# Altium PCB SOMO_PowerPack_Top.PcbDoc (continued)
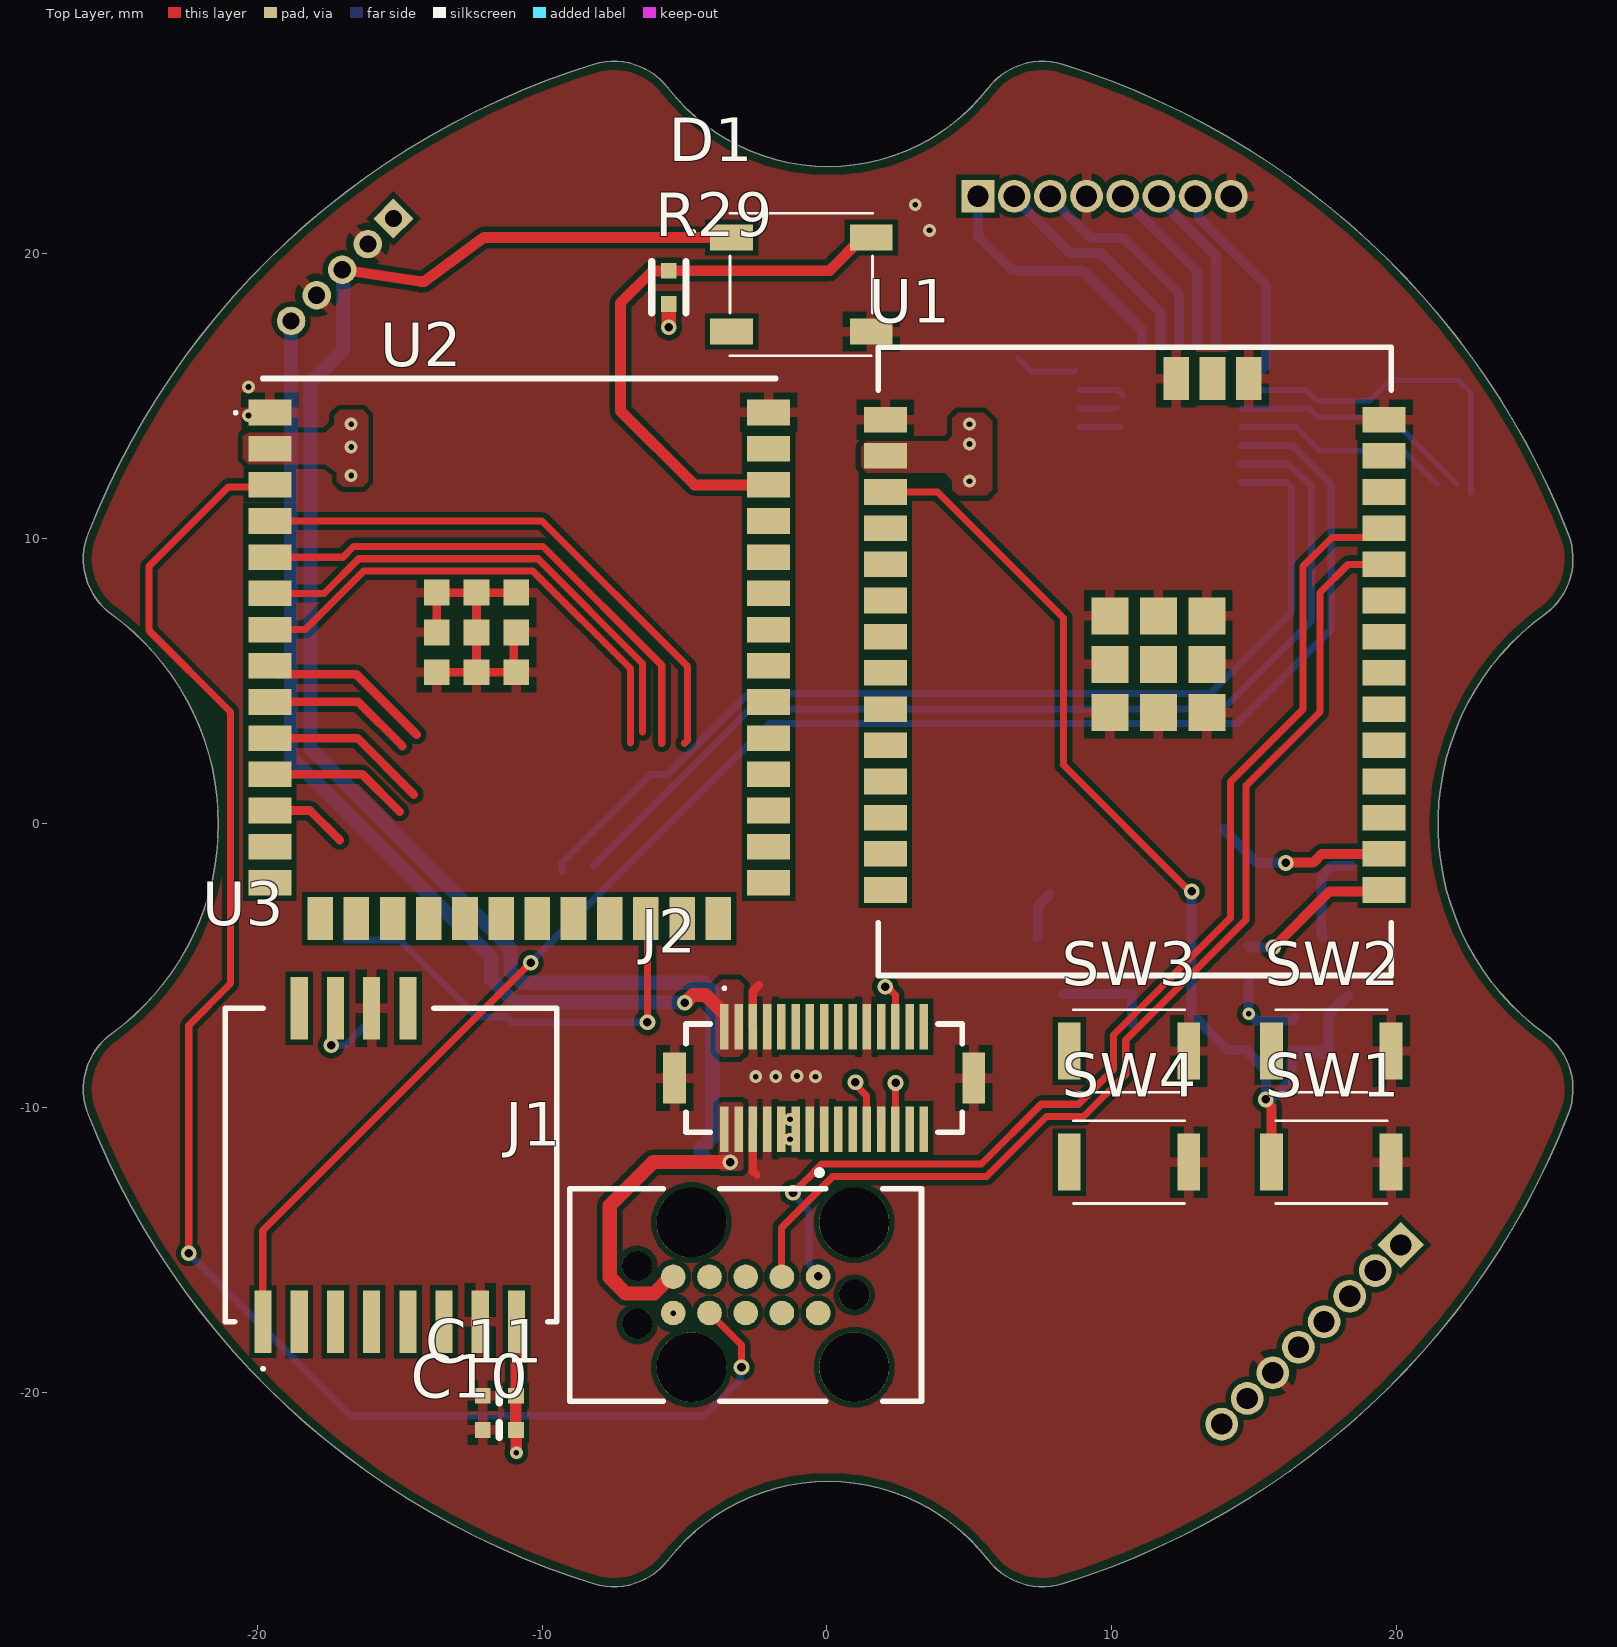
[diagram p0: Top Layer view]
## Design rules (kind name [scope] priority, off if disabled: settings) (continued)

## Classes and differential pairs
component class U_WS2812B: D1 R29
component class U_SX1262_Radio: C10 C11 C30 C31 Q4 U3 U16
component class U_GPIO_Expander: C12 C32 R10 R28 U4 U17
component class U_ExpansionBoard: J2
component class U_ESP32_S3: C6 C7 C8 C9 C18 C19 C20 C21 Q3 R5 R6 R7 R8 R9 R13 R? SW3 SW4 U2
component class U_ESP32_C5: C2 C3 C4 C5 C14 C15 C16 C17 Q1 Q2 R1 R2 R3 R4 R15 SW1 SW2 U1
component class [0]Top: C1 C? J1 J3 J4 J5

## Components (designator, comment, footprint, x,y, rotation, side; value= is the part's Value field where it differs from the comment)
C1 "0.10µF" SMD-0402C -5.041,-11.375 r90 bottom
C2 "10µF" SMD-0603C 6,13.6 r270 bottom
C3 "4.7µF" SMD-0402C 5.7,12.5 r270 bottom
C4 "0.10µF" SMD-0402C 5.7,11.5 r270 bottom
C5 "1µF" SMD-0402C 17.6,-8.7 r180 bottom
C6 "10µF" SMD-0603C -14.8,14.2 r270 bottom
C7 "4.7µF" SMD-0402C -15.1,13 r270 bottom
C8 "0.10µF" SMD-0402C -15.1,11.9 r270 bottom
C9 "1µF" SMD-0402C 10.7,-7.6 r180 bottom
C10 "4.7µF" SMD-0402C -11.5,-21.3 r270 top
C11 "0.10µF" SMD-0402C -11.5,-20.1 r270 top
C12 "0.10µF" SMD-0402C 9.9,8.8 r180 bottom
D1 "WS2812B-B" WS2812BB -0.9,18.9 r0 top
J1 "TC2050-IDC-430" TC2050-IDC -1.9,-19.1 r180 top
J2 "DF12NB_3.0_-30DP-0.5V_51_" DF12NB3030DP05V51 -0.1,-8.95 r180 top
J3 "M50-3530542" HDRV5W40P0X127_1X5_635X210X400P -15.214,21.216 r225 bottom
J4 "M50-3530842" HDRV8W40P0X127_1X8_1016X210X400P 5.3,22 r180 bottom
J5 "M50-3530842" HDRV8W40P0X127_1X8_1016X210X400P 20.139,-14.807 r45 bottom
Q1 "DMN67D7L-13" DMN67D7L13 13,0.8 r180 bottom
Q2 "DMN67D7L-13" DMN67D7L13 18.3,-5 r0 bottom
Q3 "DMN67D7L-13" DMN67D7L13 8.3,-5 r0 bottom
Q4 "DMN67D7L-13" DMN67D7L13 -16.9,-5.1 r180 bottom
R1 "10k" SMD-0402-RES 19.3,5.9 r90 bottom
R2 "10k" SMD-0402-RES 16.4,-7.4 r0 bottom
R3 "10k" SMD-0402-RES 14.8,-4.9 r180 bottom
R4 "10k" SMD-0402-RES 19,-1.5 r90 bottom
R5 "4.7k" SMD-0402-RES -5.2,12.4 r90 bottom
R6 "4.7k" SMD-0402-RES -5.2,14 r90 bottom
R7 "10k" SMD-0402-RES 10.7,-5.4 r0 bottom
R8 "10k" SMD-0402-RES 10.7,-3.1 r180 bottom
R9 "10k" SMD-0402-RES 8.4,-2.5 r90 bottom
R10 "10k" SMD-0402-RES 6.7,16.9 r0 bottom
R29 "4.7k" SMD-0402-RES -5.55,18.8 r0 top
SW1 "SKRKAEE020" SKRKAEE020 17.7,-11.9 r0 top
SW2 "SKRKAEE020" SKRKAEE020 17.7,-8 r0 top
SW3 "SKRKAEE020" SKRKAEE020 10.6,-8 r0 top
SW4 "SKRKAEE020" SKRKAEE020 10.6,-11.9 r0 top
U1 "ESP32-C5-WROOM-1U-N8R8" ESP32C5WROOM1UN8R8 10.8,8.4 r0 top
U2 "ESP32-S3-WROOM-1U-N16R8" ESP32S3WROOM1UN16R8 -10.8,6 r0 top
U3 "WIO-SX1262" 114993390 -15.3,-12 r0 top
U4 "MCP23017T-E/ML" QFN65P600X600X100-29N-D 11.7,13.9 r90 bottom

## Footprints (in the part's own frame and the unit in brackets; to place one, negate y for a bottom-side part, rotate by r counter-clockwise, add the part's x,y. Pads: shape width x height; smd on the part's side, far side on the other; paste and mask are expansions set on the pad)
114993390 [mm]
  rect 0.6x2.2 smd: 1(-4.49,-5.5) 2(-3.22,-5.5) 3(-1.95,-5.5) 4(-0.68,-5.5) 5(0.59,-5.5) 6(1.86,-5.5) 7(3.13,-5.5) 8(4.4,-5.5) 9(0.59,5.5) 10(-0.68,5.5) 11(-1.95,5.5) 12(-3.22,5.5)
  silkscreen extent -5.82,-7.2 5.82,5.5, body extent -5.8,-5.5 5.8,5.5, height 2.95
DF12NB3030DP05V51 [mm]
  rect 0.3x1.6 smd: 1(3.5,-1.8) 2(3.5,1.8) 3(3,-1.8) 4(3,1.8) 5(2.5,-1.8) 6(2.5,1.8) 7(2,-1.8) 8(2,1.8) 9(1.5,-1.8) 10(1.5,1.8) 11(1,-1.8) 12(1,1.8) 13(0.5,-1.8) 14(0.5,1.8) 15(0,-1.8) 16(0,1.8) 17(-0.5,-1.8) 18(-0.5,1.8) 19(-1,-1.8) 20(-1,1.8) 21(-1.5,-1.8) 22(-1.5,1.8) 23(-2,-1.8) 24(-2,1.8) 25(-2.5,-1.8) 26(-2.5,1.8) 27(-3,-1.8) 28(-3,1.8) 29(-3.5,-1.8) 30(-3.5,1.8)
  rect 0.8x1.8 smd: MP1(5.25,0) MP2(-5.25,0)
  silkscreen extent -4.85,-3.2 4.85,1.9, body extent -5.3,-2.3 5.3,2.3, height 2.3
DMN67D7L13 [mm]
  rect 0.8x0.9 smd: 1(-0.95,-1) 2(0.95,-1) 3(0,1)
  silkscreen extent -1.45,-1.9 1.45,0.65, body extent -1.45,-1.37 1.45,1.37, height 1.2
ESP32C5WROOM1UN8R8 [mm]
  rect 1.5x0.9 smd: 1(-8.75,5.76) 2(-8.75,4.49) 3(-8.75,3.22) 4(-8.75,1.95) 5(-8.75,0.68) 6(-8.75,-0.59) 7(-8.75,-1.86) 8(-8.75,-3.13) 9(-8.75,-4.4) 10(-8.75,-5.67) 11(-8.75,-6.94) 12(-8.75,-8.21) 13(-8.75,-9.48) 14(-8.75,-10.75) 15(8.75,-10.75) 16(8.75,-9.48) 17(8.75,-8.21) 18(8.75,-6.94) 19(8.75,-5.67) 20(8.75,-4.4) 21(8.75,-3.13) 22(8.75,-1.86) 23(8.75,-0.59) 24(8.75,0.68) 25(8.75,1.95) 26(8.75,3.22) 27(8.75,4.49) 28(8.75,5.76)
  rect 1.3x1.3 smd: 29(-0.87,-4.528) 29(-0.87,-2.828) 29(-0.87,-1.128) 29(0.83,-4.528) 29(0.83,-2.828) 29(0.83,-1.128) 29(2.53,-4.528) 29(2.53,-2.828) 29(2.53,-1.128)
  rect 0.9x1.5 smd: 30(4,7.2) 31(2.73,7.2) 32(1.46,7.2)
  silkscreen extent -9,-13.75 9,8.3, body extent -9,-13.75 9,7.45, height 3.45
ESP32S3WROOM1UN16R8 [mm]
  rect 1.5x0.9 smd: 1(-8.75,8.41) 2(-8.75,7.14) 3(-8.75,5.87) 4(-8.75,4.6) 5(-8.75,3.33) 6(-8.75,2.06) 7(-8.75,0.79) 8(-8.75,-0.48) 9(-8.75,-1.75) 10(-8.75,-3.02) 11(-8.75,-4.29) 12(-8.75,-5.56) 13(-8.75,-6.83) 14(-8.75,-8.1) 27(8.75,-8.1) 28(8.75,-6.83) 29(8.75,-5.56) 30(8.75,-4.29) 31(8.75,-3.02) 32(8.75,-1.75) 33(8.75,-0.48) 34(8.75,0.79) 35(8.75,2.06) 36(8.75,3.33) 37(8.75,4.6) 38(8.75,5.87) 39(8.75,7.14) 40(8.75,8.41)
  rect 0.9x1.5 smd: 15(-6.985,-9.35) 16(-5.715,-9.35) 17(-4.445,-9.35) 18(-3.175,-9.35) 19(-1.905,-9.35) 20(-0.635,-9.35) 21(0.635,-9.35) 22(1.905,-9.35) 23(3.175,-9.35) 24(4.445,-9.35) 25(5.715,-9.35) 26(6.985,-9.35)
  rect 0.9x0.9 smd: 41(-1.5,0.69) 42(-1.5,2.09) 43(-2.9,2.09) 44(-2.9,0.69) 45(-2.9,-0.71) 46(-1.5,-0.71) 47(-0.1,-0.71) 48(-0.1,0.69) 49(-0.1,2.09)
  silkscreen extent -10,8.35 9,9.6, body extent -9,-9.85 9,9.35, height 3.35
HDRV5W40P0X127_1X5_635X210X400P [mm]
  rect 1x1 hole 0.6: 1(0,0)
  round 1 hole 0.6: 2(1.27,0) 3(2.54,0) 4(3.81,0) 5(5.08,0)
  silkscreen extent -0.89,-1.1 5.97,1.1, body extent -0.64,-1.05 5.71,1.05, height 4
HDRV8W40P0X127_1X8_1016X210X400P [mm]
  rect 1.15x1.15 hole 0.75: 1(0,0)
  round 1.15 hole 0.75: 2(-1.27,0) 3(-2.54,0) 4(-3.81,0) 5(-5.08,0) 6(-6.35,0) 7(-7.62,0) 8(-8.89,0)
  silkscreen extent -9.77,-1.05 0.88,1.05, body extent -9.53,-1.05 0.64,1.05, height 4
QFN65P600X600X100-29N-D [mm]
  rect 1.05x0.35 smd: 1(-2.85,1.95) 2(-2.85,1.3) 3(-2.85,0.65) 4(-2.85,0) 5(-2.85,-0.65) 6(-2.85,-1.3) 7(-2.85,-1.95) 15(2.85,-1.95) 16(2.85,-1.3) 17(2.85,-0.65) 18(2.85,0) 19(2.85,0.65) 20(2.85,1.3) 21(2.85,1.95)
  rect 0.35x1.05 smd: 8(-1.95,-2.85) 9(-1.3,-2.85) 10(-0.65,-2.85) 11(0,-2.85) 12(0.65,-2.85) 13(1.3,-2.85) 14(1.95,-2.85) 22(1.95,2.85) 23(1.3,2.85) 24(0.65,2.85) 25(0,2.85) 26(-0.65,2.85) 27(-1.3,2.85) 28(-1.95,2.85)
  rect 4.2x4.2 smd: 29(0,0)
  silkscreen extent -3.54,2.76 -3.21,3.09, body extent -3.05,-3.05 3.05,3.05, height 1
SKRKAEE020 [mm]
  rect 0.8x2 smd: 1(-2.1,0) 2(2.1,0)
  silkscreen extent -1.95,-1.45 1.95,1.45, body extent -2.4,-1.45 2.4,1.45, height 2
SMD-0402-RES [mm]
  rect 0.55x0.55 smd: 1(0,0.584) 2(0,-0.584)
  silkscreen extent -0.6,-0.9 0.6,0.9, body extent -0.27,-0.57 0.28,0.58, height 0.41
SMD-0402C [mm]
  rect 0.55x0.55 smd: 1(0,0.584) 2(0,-0.584)
  silkscreen extent -0.25,0 0.25,0, body extent -0.25,-0.51 0.25,0.51, height 0.51
SMD-0603C [mm]
  rect 0.85x0.85 smd: 1(0,0.775) 2(0,-0.775)
  silkscreen extent -0.4,0 0.4,0, body extent -0.4,-0.8 0.4,0.8, height 0.9
TC2050-IDC [mil]
  round 34 smd: 1(-62.5,-125) 2(-12.5,-125) 3(37.5,-125) 4(87.5,-125) 5(137.5,-125) 6(137.5,-75) 7(87.5,-75) 8(37.5,-75) 9(-12.5,-75) 10(-62.5,-75)
  round 42 hole 42 unplated: 11(-112.5,-100) 12(187.5,-60.04) 13(187.5,-139.96)
  round 96.5 hole 96.5 unplated: 14(112.5,-200) 15(-112.5,-200) 16(-112.5,0) 17(112.5,0)
  silkscreen extent -205,-273 280,47, body extent -305,-260 380,42, height 8191
WS2812BB [mm]
  rect 1.5x0.9 smd: 1(-2.45,1.65) 2(-2.45,-1.65) 3(2.45,-1.65) 4(2.45,1.65)
  silkscreen extent -3.85,-2.5 2.5,2.5, body extent -3.2,-2.5 3.2,2.5, height 2.65

## Part data
C1 C4 C8 C11 C12: library part GCM155R71C104KA55D, "CAP CER 0.1UF 16V X7R 0402", Digi-Key Part Number=490-4759-1-ND, Manufacturer="Murata Electronics North America", Operating Temperature="-55°C ~ 125°C", Package / Case="0402 (1005 Metric)", Ratings=AEC-Q200, Temperature Coefficient=X7R, Tolerance=±10%, Voltage=16V, @ qty=0, Applications=Automotive, Datasheets=http://www.murata.com/~/media/webrenewal/support/library/catalog/products/capacitor/mlcc/c03e.ashx, Factory Stock=0, Features=-, Height - Seated (Max)=-, Image=//media.digikey.com/Renders/Murata%20Renders/ZRB-SERIES-0402.jpg, Lead Spacing=-, Lead Style=-, Minimum Quantity=1, Mounting Type="Surface Mount, MLCC", Packaging="Cut Tape (CT)", Part Number=GCM155R71C104KA55D, Part Status=Active, Quantity Available=734194, Series=GCM, Size / Dimension="0.039\" L x 0.020\" W (1.00mm x 0.50mm)", Thickness (Max)="0.022\" (0.55mm)", Unit Price (USD)=0.1
C2 C6: library part GRM185R60J106ME15D, "CAP CER 10UF 6.3V X5R 0603", Digi-Key Part Number=490-10467-1-ND, Manufacturer="Murata Electronics North America", Operating Temperature="-55°C ~ 85°C", Package / Case="0603 (1608 Metric)", Ratings=-, Temperature Coefficient=X5R, Tolerance=±20%, Voltage=6.3V, @ qty=0, Applications="General Purpose", Datasheets=http://www.murata.com/~/media/webrenewal/support/library/catalog/products/capacitor/mlcc/c02e.pdf, Factory Stock=0, Features="Derating Recommended", Height - Seated (Max)=-, Image=//media.digikey.com/Renders/Murata%20Renders/ZRB-SERIES-0402.jpg, Lead Spacing=-, Lead Style=-, Minimum Quantity=1, Mounting Type="Surface Mount, MLCC", Packaging="Cut Tape (CT)", Part Number=GRM185R60J106ME15D, Part Status=Active, Quantity Available=25068, Series=GRM, Size / Dimension="0.063\" L x 0.031\" W (1.60mm x 0.80mm)", Thickness (Max)="0.022\" (0.55mm)", Unit Price (USD)=0.36
C3 C7 C10: library part GRM153R60J475ME15D, "CAP CER 4.7UF 6.3V X5R 0402", Digi-Key Part Number=490-13232-1-ND, Manufacturer="Murata Electronics North America", Operating Temperature="-55°C ~ 85°C", Package / Case="0402 (1005 Metric)", Ratings=-, Temperature Coefficient=X5R, Tolerance=±20%, Voltage=6.3V, @ qty=0, Applications="General Purpose", Datasheets=http://psearch.en.murata.com/capacitor/product/GRM153R60J475ME15%23.pdf, Factory Stock=0, Features="Derating Recommended", Height - Seated (Max)=-, Image=//media.digikey.com/Renders/Murata%20Renders/ZRB-SERIES-0402.jpg, Lead Spacing=-, Lead Style=-, Minimum Quantity=1, Mounting Type="Surface Mount, MLCC", Packaging="Cut Tape (CT)", Part Number=GRM153R60J475ME15D, Part Status=Active, Quantity Available=30412, Series=GRM, Size / Dimension="0.039\" L x 0.020\" W (1.00mm x 0.50mm)", Thickness (Max)="0.013\" (0.33mm)", Unit Price (USD)=0.27
C5 C9: library part GCM155C71A105KE38D, "CAP CER 1UF 10V X7S 0402", Digi-Key Part Number=490-13409-1-ND, Manufacturer="Murata Electronics North America", Operating Temperature="-55°C ~ 125°C", Package / Case="0402 (1005 Metric)", Ratings=AEC-Q200, Temperature Coefficient=X7S, Tolerance=±10%, Voltage=10V, @ qty=0, Applications=Automotive, Datasheets=http://www.murata.com/~/media/webrenewal/support/library/catalog/products/capacitor/mlcc/c03e.ashx, Factory Stock=0, Features=-, Height - Seated (Max)=-, Image=//media.digikey.com/Renders/Murata%20Renders/ZRB-SERIES-0402.jpg, Lead Spacing=-, Lead Style=-, Minimum Quantity=1, Mounting Type="Surface Mount, MLCC", Packaging="Cut Tape (CT)", Part Number=GCM155C71A105KE38D, Part Status=Active, Quantity Available=7240, Series=GCM, Size / Dimension="0.039\" L x 0.020\" W (1.00mm x 0.50mm)", Thickness (Max)="0.022\" (0.55mm)", Unit Price (USD)=0.12
D1: "LED", Manufacturer_Name=Worldsemi, Datasheet Link=http://www.world-semi.com/DownLoadFile/111, Height=1.62mm, Manufacturer_Part_Number=WS2812B-B
J1: "Connector", Manufacturer_Name="Tag Connect", Datasheet Link=https://datasheet.datasheetarchive.com/originals/distributors/Datasheets_SAMA/8a7b9a42a753a5cbaca4256ee093e59c.pdf, Manufacturer_Part_Number=TC2050-IDC-430
J2: "Connector", Manufacturer_Name=Hirose, Manufacturer_Part_Number=DF12NB(3.0)-30DP-0.5V(51), Mouser Part Number=798-DF12NB3030DP0551, Datasheet Link=https://www.hirose.com/en/product/document?clcode=CL0537-0389-0-51&productname=DF12NB(3.0)-30DP-0.5V(51)&series=DF12N&documenttype=2DDrawing&lang=en&documentid=0001367354, Height=2.5mm, Mouser Price/Stock=https://www.mouser.co.uk/ProductDetail/Hirose-Connector/DF12NB3.0-30DP-0.5V51?qs=DPoM0jnrROVGT6JTbeYOKw%3D%3D
J3: "Connector", Manufacturer_Name=Harwin, Mouser Part Number=855-M50-3530542, Datasheet Link=https://content.harwin.com/m/b82244d701975b38/original/DRG-02646-Technical-Drawing-Datasheet-M50-353-pdf.pdf, Height=4mm, Manufacturer_Part_Number=M50-3530542, Mouser Price/Stock=https://www.mouser.co.uk/ProductDetail/Harwin/M50-3530542?qs=%252BdQmOuGyFcHDSISYjHIhxg%3D%3D
J4 J5: "Connector", Manufacturer_Name=Harwin, Mouser Part Number=855-M50-3530842, Datasheet Link=https://content.harwin.com/m/b82244d701975b38/original/DRG-02646-Technical-Drawing-Datasheet-M50-353-pdf.pdf, Height=4mm, Manufacturer_Part_Number=M50-3530842, Mouser Price/Stock=https://www.mouser.co.uk/ProductDetail/Harwin/M50-3530842?qs=%252BdQmOuGyFcHKRmyiVqsSSw%3D%3D
Q1 Q2 Q3 Q4: "MOSFET (N-Channel)", Manufacturer_Name="Diodes Incorporated", Mouser Part Number=621-DMN67D7L-13, Arrow Part Number=DMN67D7L-13, Arrow Price/Stock=https://www.arrow.com/en/products/dmn67d7l-13/diodes-incorporated?region=nac, Datasheet Link=https://www.diodes.com/assets/Package-Files/SOT23.pdf, Height=1.1mm, Manufacturer_Part_Number=DMN67D7L-13, Mouser Price/Stock=https://www.mouser.co.uk/ProductDetail/Diodes-Incorporated/DMN67D7L-13?qs=W0yvOO0ixfHR5TrLcSFuNw%3D%3D
R1 R2 R3 R4 R7 R8 R9 R10: library part ERJ-2RKF1002X, "RES SMD 10K OHM 1% 1/10W 0402", Digi-Key Part Number=P10.0KLCT-ND, Manufacturer="Panasonic Electronic Components", Operating Temperature="-55°C ~ 155°C", Package / Case="0402 (1005 Metric)", Power (Watts)="0.1W, 1/10W", Supplier Device Package=0402, Temperature Coefficient=±100ppm/°C, Tolerance=±1%, @ qty=1500, Composition="Thick Film", Datasheets=http://industrial.panasonic.com/www-cgi/jvcr13pz.cgi?E+PZ+3+AOA0002+ERJ2RKF1002X+7+WW, Factory Stock=0, Failure Rate=-, Features="Automotive AEC-Q200", Height - Seated (Max)="0.016\" (0.40mm)", Image=//media.digikey.com/Photos/Panasonic%20Photos/ERJ-PA2-Series.jpg, Minimum Quantity=1, Number of Terminations=2, Packaging="Cut Tape (CT)", Part Number=ERJ-2RKF1002X, Part Status=Active, Quantity Available=9922786, Series=ERJ, Size / Dimension="0.039\" L x 0.020\" W (1.00mm x 0.50mm)", Unit Price (USD)=0.00496
R5 R6 R29: library part ERJ-2RKF4701X, "RES SMD 4.7K OHM 1% 1/10W 0402", Digi-Key Part Number=P4.70KLCT-ND, Manufacturer="Panasonic Electronic Components", Operating Temperature="-55°C ~ 155°C", Package / Case="0402 (1005 Metric)", Power (Watts)="0.1W, 1/10W", Supplier Device Package=0402, Temperature Coefficient=±100ppm/°C, Tolerance=±1%, @ qty=1500, Composition="Thick Film", Datasheets=http://industrial.panasonic.com/www-cgi/jvcr13pz.cgi?E+PZ+3+AOA0002+ERJ2RKF4701X+7+WW, Factory Stock=0, Failure Rate=-, Features="Automotive AEC-Q200", Height - Seated (Max)="0.016\" (0.40mm)", Image=//media.digikey.com/Photos/Panasonic%20Photos/ERJ-PA2-Series.jpg, Minimum Quantity=1, Number of Terminations=2, Packaging="Cut Tape (CT)", Part Number=ERJ-2RKF4701X, Part Status=Active, Quantity Available=1881807, Series=ERJ, Size / Dimension="0.039\" L x 0.020\" W (1.00mm x 0.50mm)", Unit Price (USD)=0.00496
SW1 SW2 SW3 SW4: "Tactile Switches 3.9x2.9x2.0mm 160gf Packaging Temp 80oC", Manufacturer_Name="ALPS Electric", Mouser Part Number=688-SKRKAEE020, Datasheet Link=http://www.alps.com/prod/info/J/HTML/Tact/SurfaceMount/SKRK/SKRKAEE020.html, Height=2mm, Manufacturer_Part_Number=SKRKAEE020, Mouser Price/Stock=https://www.mouser.co.uk/ProductDetail/Alps-Alpine/SKRKAEE020?qs=MrosSN5%252BUQW89XjXIp8Ugw%3D%3D
U1: "Integrated Circuit", Manufacturer_Name="Espressif Systems", Manufacturer_Part_Number=ESP32-C5-WROOM-1-N8R8, Datasheet Link=https://documentation.espressif.com/esp32-c5-wroom-1_wroom-1u_datasheet_en.pdf, Height=3.45mm
U2: "RF System on a Chip - SoC SMD IC ESP32-S3, dual-core MCU, Wi-Fi 2.4G & BLE 5.0 combo, QFN 56-pin, 7*7 mm", Manufacturer_Name="Espressif Systems", Mouser Part Number=356-ESP32S3WM1UN16R8, Datasheet Link=https://www.espressif.com/sites/default/files/documentation/esp32-s3-wroom-1_wroom-1u_datasheet_en.pdf, Height=3.35mm, Manufacturer_Part_Number=ESP32-S3-WROOM-1U-N16R8, Mouser Price/Stock=https://www.mouser.co.uk/ProductDetail/Espressif-Systems/ESP32-S3-WROOM-1U-N16R8?qs=Li%252BoUPsLEns6V0Pr5KRJtw%3D%3D
U3: "RF Modules Wio-SX1262 Wireless Module (Bulk), SX1262 embedded, supports LoRa&LoRaWAN on EU868 & US915", Manufacturer_Name="Seeed Studio", Manufacturer_Part_Number=114993390, Mouser Part Number=713-114993390, Datasheet Link=https://www.mouser.com/pdfDocs/Wio-SX1262module-Datasheet.pdf, Height=3.15mm, Mouser Price/Stock=https://www.mouser.co.uk/ProductDetail/Seeed-Studio/114993390?qs=NeOn4crkEuu9JWV37oJsXg%3D%3D
U4: "Interface - I/O Expanders 16bit Input/Output Exp I2C interface", Manufacturer_Name=Microchip, Mouser Part Number=579-MCP23017T-E/ML, Arrow Part Number=MCP23017T-E/ML, Arrow Price/Stock=https://www.arrow.com/en/products/mcp23017t-eml/microchip-technology.html?utm_currency=USD&region=nac, Datasheet Link=https://datasheet.datasheetarchive.com/originals/distributors/SFDatasheet-4/sf-00090057.pdf, Height=1mm, Manufacturer_Part_Number=MCP23017T-E/ML, Mouser Price/Stock=https://www.mouser.co.uk/ProductDetail/Microchip-Technology/MCP23017T-E-ML?qs=usxtMOJb1RwLvxs2MXknpg%3D%3D

## Via types
v1: diameter 0.45, hole 0.2, Top Layer to Bottom Layer, tented both sides, 19 vias
v2: diameter 0.55, hole 0.3, Top Layer to Bottom Layer, tented both sides, 17 vias

## Nets (pads, with @x,y where several pads share a name; then routed paths per layer and width w, separated by ;. In a path a pad name is that pad's centre, name@x,y a point inside that pad or via, vN(x,y) a via of type N, cw(c..) or ccw(c..) an arc to the next point about the centre after c; other vN are vias at no path point)
+3.3V: C2.1 C3.1 C4.1 C6.1 C7.1 C8.1 C10.1 C11.1 C12.1 J2.10 J2.12 J3.1 R1.2 R2.2 R3.2 R5.2 R6.2 R7.2 R8.2 R10.2 R29.2 U1.2 U2.2 U3.8 U4.5 | length 8.1
  Top Layer w0.4: C11.1 -10.908,-20.092 -10.908,-17.808 U3.8@-10.9,-17.8 ; C11.1@-10.908,-20.108 -10.916,-20.116 C10.1 -10.908,-21.308 -10.908,-22.092 v1(-10.9,-22.1)
  Top Layer w0.5: v2(-5.55,17.4) R29.2
  Bottom Layer w0.35: R3.2 v1(14.8,-6.695) 14.827,-6.695 15.07,-6.938 16.095,-6.938 16.117,-6.916 16.3,-6.916 R2.2
  other v1: -1.3,-11.1 -1.3,-10.4 5,12 -16.7,12.2 -16.7,13.2 5,13.3 -16.7,14 5,14
+5V: C1.1 D1.1 J1.5 J2.2 J2.4 J3.3 | length 66.7
  Top Layer w0.381: J3.3 -14.311,19.014 -14.283,19.009 -14.254,19.009 -14.129,19.009 -12.143,20.475 -12.043,20.55 D1.1
  Top Layer w0.5: J1.5 -5.491,-15.925 -6.074,-16.508 -7.062,-16.508 -7.626,-15.944 -7.626,-13.426 -6.1,-11.9 v2(-3.4,-11.9)
  Bottom Layer w0.5: J3.3 -16.978,19.388 -16.978,16.622 -18.127,15.473 -18.127,2.619 -11.105,-4.402 -11.105,-5.192 -10.692,-5.605 -4.322,-5.605 -4.029,-5.898 -4.029,-11.029 C1.1@-4.4,-11.4 ; C1.1 -4.432,-11.4 -4.432,-11.607 -4.139,-11.9 v2(-3.4,-11.9)
+24V: J2.1 J2.3 J3.5 | length 34.8
  Top Layer w0.5: v2(-4.989,-6.31) -4.975,-6.31 -4.699,-6.034 -4.266,-6.034 J2.1@-3.7,-6.6
  Bottom Layer w0.5: J3.5 -18.807,2.307 -11.785,-4.715 -11.785,-5.474 -10.974,-6.285 -6.008,-6.285 -5.993,-6.3 -4.998,-6.3 v2(-4.989,-6.31)
C5_BOOT: J1.3 R3.1 SW2.1 U1.15 | length 5.3
  Top Layer w0.35: v2(15.667,-4.364) 17.631,-2.4 19.1,-2.4 U1.15@19.2,-2.5
  Bottom Layer w0.35: R3.1 14.848,-4.364 v2(15.667,-4.364)
C5_BOOT1: R1.1 U1.18
C5_C\S\: U1.6 U4.24 | length 8.6
  Bottom Layer w0.2: U4.24 16.931,14.55 17.242,14.239 19.761,14.239 22.1,11.9
C5_EN: C5.1 J1.4 Q2.3 R2.1 SW1.1 U1.3 | length 37.7
  Top Layer w0.25: U1.3 3.88,11.62 8.3,7.2 8.3,2.033 12.733,-2.4 v2(12.8,-2.4)
  Top Layer w0.35: v2(15.4,-9.7) 15.4,-9.754 15.6,-9.954 SW1.1
  Bottom Layer w0.35: v2(12.8,-2.4) 12.8,-6.7 14.062,-7.962 14.707,-7.962 15.4,-8.655 v2(15.4,-9.7) 15.438,-9.662 15.638,-9.662 16.308,-8.992 16.308,-7.992 16.4,-8.084 16.5,-8.084 16.524,-8.108 17.516,-8.108 17.608,-8.016 17.608,-6.692 18.025,-6.275 18.075,-6.275 Q2.3@18.3,-6.05 ; R2.1 17.468,-7.984 C5.1
C5_I\R\Q\: Q1.3 U2.25
C5_IRQ: Q1.1 U1.16 | length 6.1
  Top Layer w0.35: v2(16.1,-1.4) 16.11,-1.39 17.065,-1.39 17.375,-1.08 U1.16@19.38,-1.08
  Bottom Layer w0.35: Q1.1 13.95,-0.25 15.09,-1.39 16.09,-1.39 v2(16.1,-1.4)
C5_RST: Q2.1 R4.2 U4.23 | length 15.6
  Bottom Layer w0.2: U4.23 16.819,15.2 17.195,14.824 19.038,14.824 19.75,15.535 22.165,15.535 22.6,15.1 22.6,11.6
  Bottom Layer w0.35: Q2.1@17.4,-4 17.35,-3.95 17.35,-1.871 17.721,-1.5 R4.2
C5_UART_RX: J1.2 U1.24 | length 38.4
  Top Layer w0.25: J1.2@-1.6,-15.9 -1.6,-14.2 0.2,-12.4 5.6,-12.4 7.7,-10.3 9.008,-10.3 10.486,-8.822 10.486,-7.614 14.7,-3.4 14.7,1.3 17.3,3.9 17.3,8.088 18.292,9.08 U1.24
C5_UART_TX: J1.1 U1.25 | length 40.2
  Top Layer w0.25: v2(-1.193,-12.973) -0.944,-12.724 -0.924,-12.724 -0.446,-12.246 -0.446,-12.226 -0.19,-11.97 5.422,-11.97 7.522,-9.87 8.83,-9.87 10.056,-8.644 10.056,-7.435 14.166,-3.326 14.166,1.446 16.7,3.98 16.7,9 17.725,10.025 19.225,10.025 U1.25
  Bottom Layer w0.25: v2(-1.193,-12.973) -1.193,-13.041 -0.625,-13.609 -0.625,-15.494 -0.3,-15.819 v2(-0.3,-15.9)
CAN_RX: J5.7 U2.17
CAN_TX: J5.8 U2.18
Clamp_1: J5.1 U2.39
EUART_RX: J2.26 U2.9 | length 6.9
  Top Layer w0.25: J2.26 2.4,-9.128 v2(2.408,-9.12)
  Top Layer w0.3: U2.9 -16.45,4.25 -14.9,2.7
EUART_TX: J2.22 U2.8 | length 8
  Top Layer w0.25: v2(1,-9.1) 1,-9.181 1.394,-9.575 1.394,-10.744 J2.22
  Top Layer w0.3: U2.8 -19.25,5.22 -16.52,5.22 -14.4,3.1
GND: C1.2 C2.2 C3.2 C4.2 C5.2 C6.2 C7.2 C8.2 C9.2 C10.2 C11.2 C12.2 D1.3 J1.6 J2.5 J2.6 J2.7 J2.8 J2.14 J2.16 J2.21 J2.24 J2.MP1 J2.MP2 J3.2 J3.4 J4.4 J4.8 J5.6 Q1.2 Q2.2 Q3.2 Q4.2 R4.1 R9.1 SW1.2 SW2.2 SW3.2 SW4.2 U1.1 U1.28 U1.29 U1.30 U1.32 U2.1 U2.40 U2.41 U2.42 U2.43 U2.44 U2.45 U2.46 U2.47 U2.48 U2.49 U3.7 U3.10 U4.6 U4.11 U4.12 U4.13 U4.29 | length 19
  Top Layer w0.25: -2.6,-12.212 -2.45,-12.362
  Top Layer w0.3: U2.45@-13.8,5.2 -13.71,5.29 U2.47 ; U2.44 U2.43 ; U2.43@-13.7,8.1 -13.69,8.09 U2.42 ; U2.46 U2.41 U2.42 ; U2.47@-11,5.29 U2.48@-11,6.69 ; U2.49 U2.42 ; -2.6,-12.212 J2.6 ; J2.5 -2.6,-5.9 -2.4,-5.7
  Bottom Layer w0.2: U4.11 U4.29@10.3,13.9 ; U4.12 10.15,14.55 U4.29@10.2,14.6 ; U4.13 10.2,15.2 U4.29@10.4,15
  other v1: -5.4,-17.2 -2.5,-8.9 -1.8,-8.9 -1.054,-8.876 -0.4,-8.9 -20.3,14.3 -20.3,15.3 3.6,20.8 3.1,21.7
GPIO1_R\S\T\: R10.1 U4.14 | length 2.2
  Bottom Layer w0.2: R10.1 7.166,15.85 8.65,15.85 U4.14@8.7,15.9
LCD_BL: J2.19 U4.4
LCD_C\S\: J2.15 U4.2
LCD_D/C: J2.13 U4.1
LCD_MOSI: J2.9 U2.10 | length 5.9
  Top Layer w0.3: U2.10 -16.48,2.98 -14.5,1
LCD_R\S\T\: J2.17 U4.3
LCD_SCK: J2.11 U2.11 | length 5.1
  Top Layer w0.3: U2.11 -16.31,1.71 -15,0.4
MODBUS_D: J5.3 U2.20
MODBUS_DE: J5.4 U4.25 | length 7.7
  Bottom Layer w0.2: U4.25 16.467,13.9 17.296,13.071 20.229,13.071 21.4,11.9
MODBUS_R: J5.5 U2.19
NetU1_12: U1.12
RELAY1: J4.7 U4.22 | length 7.9
  Bottom Layer w0.35: J4.7 13.038,21.882 13.038,21.262 15.4,18.9 15.4,16.055 15.195,15.85 U4.22
RELAY2: J4.6 U4.21 | length 6.1
  Bottom Layer w0.35: J4.6 11.65,21.9 13.65,19.9 U4.21
RELAY3: J4.5 U4.20 | length 6.3
  Bottom Layer w0.35: J4.5 10.38,21.955 13,19.335 U4.20
RELAY4: J4.3 U4.19 | length 7.8
  Bottom Layer w0.35: J4.3 7.84,21.955 9.257,20.537 10.406,20.537 12.35,18.593 U4.19
RELAY5: J4.2 U4.18 | length 8
  Bottom Layer w0.35: J4.2 6.57,21.955 8.517,20.007 9.614,20.007 10.793,18.829 11.7,17.921 U4.18
RELAY6: J4.1 U4.17 | length 9.1
  Bottom Layer w0.35: J4.1 5.3,20.6 6.5,19.4 8.952,19.4 11.05,17.302 U4.17
RTC_INT: J5.2 U2.12 | length 2.9
  Top Layer w0.3: U2.12 -18.14,0.44 -17.1,-0.6
S3_BOOT: J1.8 R8.1 SW4.1 U2.27
S3_EN: C9.1 J1.7 Q3.3 R7.1 SW3.1 U2.3 | length 59.9
  Top Layer w0.25: v2(-22.4,-15.1) -22.4,-7.1 -20.933,-5.633 -20.933,3.902 -23.8,6.769 -23.8,9 -21,11.8 -19.62,11.8 U2.3 ; J1.7@-4.2,-17.3 -4.017,-17.3 -3,-18.317 v2(-3,-19.1)
  Bottom Layer w0.25: v2(-22.4,-15.1) -16.7,-20.8 -4.293,-20.8 -3.057,-19.564 -3.057,-19.157 v2(-3,-19.1)
  Bottom Layer w0.35: Q3.3 8.308,-5.992 10.692,-5.992 R7.1 C9.1
S3_MISO: U1.8 U2.31 U3.2
S3_MOSI: U1.10 U2.32 U3.3
S3_RST: Q3.1 R9.2 | length 1.7
  Bottom Layer w0.35: Q3.1 7.4,-3.95 7.4,-2.916 R9.2
S3_SCK: U1.11 U2.33 U3.4
S3_SCL: R5.1 U2.34 U4.8
S3_SDA: R6.1 U2.35 U4.9
S3_UART_RX: J1.9 U2.36
S3_UART_TX: J1.10 U2.37
SX1262_B\U\S\Y\: Q4.3 U2.24 | length 15.3
  Top Layer w0.25: U2.24@-6.4,-3.5 -6.3,-3.6 v2(-6.3,-6.99)
  Bottom Layer w0.25: Q4.3 -15,-4.1 -12.3,-6.8 -11.244,-6.8 -11.054,-6.99 v2(-6.3,-6.99)
SX1262_BUSY: Q4.1 U3.11 | length 4
  Top Layer w0.2: v2(-17.4,-7.8) -17.4,-6.65 U3.11
  Bottom Layer w0.25: v2(-17.4,-7.8) -16.9,-7.8 -15.95,-6.85 Q4.1
SX1262_C\S\: U3.6 U4.28 | length 35.8
  Bottom Layer w0.25: -9.3,-1.7 -9.3,-1.4 -6.2,1.7 -5.608,1.7 -2.758,4.55 13.45,4.55 16.3,7.4 16.3,11.8 16.15,11.95 U4.28
SX1262_I\R\Q\: U2.7 U3.12 | length 17.5
  Top Layer w0.25: U2.7 -18.31,6.79 -16.255,8.845 -10.324,8.845 -6.9,5.421 -6.9,2.811
SX1262_R\S\T\: U3.5 U4.27 | length 36.2
  Bottom Layer w0.25: -8.2,-1.5 -2.7,4 13.9,4 17,7.1 17,11.8 16.2,12.6 U4.27
SX1262_RFSW: U3.1 U4.26 | length 57.9
  Top Layer w0.25: U3.1@-19.8,-17.2 -19.8,-14.3 v2(-10.4,-4.9)
  Bottom Layer w0.25: v2(-10.4,-4.9) -2,3.5 14.4,3.5 17.7,6.8 17.7,11.9 16.35,13.25 U4.26
Touch_I\R\Q\: J2.29 U2.6 | length 17.5
  Top Layer w0.25: U2.6 -17.648,8.06 -16.433,9.275 -10.146,9.275 -6.47,5.599 -6.47,3.2
Touch_R\S\T\: J2.23 U2.21
Touch_SCL: J2.27 U2.5 | length 18.4
  Top Layer w0.25: U2.5 -16.986,9.33 -16.611,9.705 -9.967,9.705 -5.8,5.538 -5.8,2.8
Touch_SDA: J2.25 U2.4 | length 21.1
  Top Layer w0.25: U2.4 -10,10.6 -4.9,5.5 -4.9,2.9 -5,2.8 ; v2(2.045,-5.745) 2.115,-5.745 2.4,-6.03 J2.25
WS2812B_D: D1.4 R29.1 U2.38 | length 19.8
  Top Layer w0.381: U2.38 -4.649,11.87 -7.243,14.463 -7.243,18.257 -6.131,19.369 -5.566,19.369 R29.1 0.084,19.384 1.25,20.55 D1.4
pads on no net: D1.2 J1.11 J1.12 J1.13 J1.14 J1.15 J1.16 J1.17 J2.18 J2.20 J2.28 J2.30 U1.4 U1.5 U1.7 U1.9 U1.13 U1.14 U1.17 U1.19 U1.20 U1.21 U1.22 U1.23 U1.26 U1.27 U1.31 U2.13 U2.14 U2.15 U2.16 U2.22 U2.23 U2.26 U2.28 U2.29 U2.30 U3.9 U4.7 U4.10 U4.15 U4.16

## Polygon pours and split planes (outlines as drawn)
+3.3V on Top Layer "+3.3V_L01_P004" (solid, remove dead copper, pour order 4): 1.2,13.2 1.4,13.4 4.2,13.4 4.4,13.6 4.4,14.2 4.6,14.4 5.5,14.4 5.8,14.1 5.8,11.7 5.6,11.5 4.6,11.5 4.4,11.7 4.4,12 4.15,12.3 1.4,12.3 1.2,12.5
+3.3V on Top Layer "+3.3V_L01_P005" (solid, remove dead copper, pour order 5): -20.5,13.6 -20.5,12.8 -20.3,12.6 -17.6,12.6 -17.2,12.3 -17.2,12 -17,11.8 -16.3,11.8 -16.1,12 -16.1,14.3 -16.3,14.5 -17.1,14.5 -17.3,14.3 -17.3,14 -17.6,13.7 -20.3,13.7
+5V on Top Layer "+5V_L01_P006" (solid, remove dead copper, pour order 6): -2.9,-9.9 -3,-9.8 -3.7,-9.8 -3.8,-9.9 -3.8,-12.1 -3.7,-12.2 -3,-12.2 -2.9,-12.1
+24V on Top Layer "+24V_L01_P008" (solid, remove dead copper, pour order 8): -3.1,-8.2 -2.9,-8 -2.9,-5.7 -3.1,-5.5 -3.7,-5.5 -3.9,-5.7 -3.9,-8 -3.7,-8.2
GND on Top Layer "GND_L01_P010" (solid, remove dead copper, pour order 10): 17.833,27.427 26.633,18.527 26.633,-16.873 15.933,-27.573 -16.167,-27.573 -25.967,-17.773 -25.967,18.83 -14.007,27.427
GND on Layer 1 "GND_L02_P001" (solid, remove dead copper, pour order 1): 17.8,27.4 26.6,18.5 26.6,-16.9 15.9,-27.6 -16.2,-27.6 -26,-17.8 -26,18.803 -14.039,27.4
+3.3V on Layer 2 "+3.3V_L03_P003" (solid, remove dead copper, pour order 3): -16.7,25.2 -26,15.9 -26,-19 -18.7,-26.3 20.1,-26.3 28.8,-17.6 28.8,20.1 23.5,25.4
GND on Bottom Layer "GND_L04_P009" (solid, remove dead copper, pour order 9): 17.8,27.4 26.6,18.5 26.6,-16.9 15.9,-27.6 -16.2,-27.6 -26,-17.8 -26,18.803 -14.039,27.4
+3.3V on Bottom Layer "+3.3V_L04_P000" (solid, remove dead copper, pour order 0): 5.8,14.2 5.6,14.4 4.6,14.4 4.4,14.2 4.4,13.9 4.4,10.8 4.5,10.7 5.5,10.7 5.8,11
+3.3V on Bottom Layer "+3.3V_L04_P007" (solid, remove dead copper, pour order 7): -15.1,15 -15.3,15.2 -17,15.2 -17.2,15 -17.2,11.4 -16.9,11.1 -15.4,11.1 -15.1,11.4

## Silkscreen, mask and mechanical layers (free items; w line width, h text height)
Top Courtyard:
  lines w0.2: -87.3,-57.665 ccw(c-85.3,-57.665) -87.118,-58.498 ; -87.3,-57.665 ccw(c-85.3,-57.665) -87.118,-58.498 ; -87.3,-57.665 -87.3,-39.335 ; -87.3,-57.665 -87.3,-39.335 ; -87.3,-39.335 cw(c-85.3,-39.335) -87.118,-38.502 ; -87.3,-39.335 cw(c-85.3,-39.335) -87.118,-38.502 ; -87.118,-58.498 ccw(c-65.3,-48.5) -75.298,-70.318 ; -87.118,-58.498 ccw(c-65.3,-48.5) -75.298,-70.318 ; -87.118,-38.502 cw(c-65.3,-48.5) -75.298,-26.682 ; -87.118,-38.502 cw(c-65.3,-48.5) -75.298,-26.682 ; -75.298,-70.318 ccw(c-74.465,-68.5) -74.465,-70.5 ; -75.298,-70.318 ccw(c-74.465,-68.5) -74.465,-70.5 ; -75.298,-26.682 cw(c-74.465,-28.5) -74.465,-26.5 ; -75.298,-26.682 cw(c-74.465,-28.5) -74.465,-26.5 ; -74.465,-70.5 -56.135,-70.5 ; -74.465,-70.5 -56.135,-70.5 ; -74.465,-26.5 -56.135,-26.5 ; -74.465,-26.5 -56.135,-26.5 ; -56.135,-70.5 ccw(c-56.135,-68.5) -55.302,-70.318 ; -56.135,-70.5 ccw(c-56.135,-68.5) -55.302,-70.318 ; -56.135,-26.5 cw(c-56.135,-28.5) -55.302,-26.682 ; -56.135,-26.5 cw(c-56.135,-28.5) -55.302,-26.682 ; -55.302,-70.318 ccw(c-65.3,-48.5) -43.482,-58.498 ; -55.302,-70.318 ccw(c-65.3,-48.5) -43.482,-58.498 ; -55.302,-26.682 cw(c-65.3,-48.5) -43.482,-38.502 ; -55.302,-26.682 cw(c-65.3,-48.5) -43.482,-38.502 ; -43.482,-58.498 ccw(c-45.3,-57.665) -43.3,-57.665 ; -43.482,-58.498 ccw(c-45.3,-57.665) -43.3,-57.665 ; -43.482,-38.502 cw(c-45.3,-39.335) -43.3,-39.335 ; -43.482,-38.502 cw(c-45.3,-39.335) -43.3,-39.335 ; -43.3,-57.665 -43.3,-39.335 ; -43.3,-57.665 -43.3,-39.335
Mechanical 4:
  lines w0.2: -89.3,-58.092 ccw(c-87.3,-58.092) -89.133,-58.891 ; -89.3,-58.092 ccw(c-87.3,-58.092) -89.133,-58.891 ; -89.3,-58.092 -89.3,-38.908 ; -89.3,-58.092 -89.3,-38.908 ; -89.3,-38.908 cw(c-87.3,-38.908) -89.133,-38.109 ; -89.3,-38.908 cw(c-87.3,-38.908) -89.133,-38.109 ; -89.133,-58.891 ccw(c-65.3,-48.5) -75.691,-72.333 ; -89.133,-58.891 ccw(c-65.3,-48.5) -75.691,-72.333 ; -89.133,-38.109 cw(c-65.3,-48.5) -75.691,-24.667 ; -89.133,-38.109 cw(c-65.3,-48.5) -75.691,-24.667 ; -75.691,-72.333 ccw(c-74.892,-70.5) -74.892,-72.5 ; -75.691,-72.333 ccw(c-74.892,-70.5) -74.892,-72.5 ; -75.691,-24.667 cw(c-74.892,-26.5) -74.892,-24.5 ; -75.691,-24.667 cw(c-74.892,-26.5) -74.892,-24.5 ; -74.892,-72.5 -55.708,-72.5 ; -74.892,-72.5 -55.708,-72.5 ; -74.892,-24.5 -55.708,-24.5 ; -74.892,-24.5 -55.708,-24.5 ; -55.708,-72.5 ccw(c-55.708,-70.5) -54.909,-72.333 ; -55.708,-72.5 ccw(c-55.708,-70.5) -54.909,-72.333 ; -55.708,-24.5 cw(c-55.708,-26.5) -54.909,-24.667 ; -55.708,-24.5 cw(c-55.708,-26.5) -54.909,-24.667 ; -54.909,-72.333 ccw(c-65.3,-48.5) -41.467,-58.891 ; -54.909,-72.333 ccw(c-65.3,-48.5) -41.467,-58.891 ; -54.909,-24.667 cw(c-65.3,-48.5) -41.467,-38.109 ; -54.909,-24.667 cw(c-65.3,-48.5) -41.467,-38.109 ; -41.467,-58.891 ccw(c-43.3,-58.092) -41.3,-58.092 ; -41.467,-58.891 ccw(c-43.3,-58.092) -41.3,-58.092 ; -41.467,-38.109 cw(c-43.3,-38.908) -41.3,-38.908 ; -41.467,-38.109 cw(c-43.3,-38.908) -41.3,-38.908 ; -41.3,-58.092 -41.3,-38.908 ; -41.3,-58.092 -41.3,-38.908
Top Assembly:
  circle w0.2: c-76.614,-59.814 r1.35
  circle w0.2: c-53.986,-37.186 r1.35
  circle w0.2: c-76.614,-59.814 r1.35
  circle w0.2: c-53.986,-37.186 r1.35
Mechanical 6:
  circle w0.2: c-44.794,-69.006 r3.5
  circle w0.2: c-85.806,-69.006 r3.5
  circle w0.2: c-85.806,-27.994 r3.5
  circle w0.2: c-44.794,-27.994 r3.5
  circle w0.2: c-65.3,-77.5 r3.5
  circle w0.2: c-94.3,-48.5 r3.5
  circle w0.2: c-65.3,-19.5 r3.5
  circle w0.2: c-36.3,-48.5 r3.5
  circle w0.2: c-65.3,-48.5 r28
  circle w0.2: c-65.3,-48.5 r30
  circle w0.2: c-44.794,-69.006 r3.5
  circle w0.2: c-85.806,-69.006 r3.5
  circle w0.2: c-85.806,-27.994 r3.5
  circle w0.2: c-44.794,-27.994 r3.5
  circle w0.2: c-65.3,-77.5 r3.5
  circle w0.2: c-94.3,-48.5 r3.5
  circle w0.2: c-65.3,-19.5 r3.5
  circle w0.2: c-36.3,-48.5 r3.5
  circle w0.2: c-65.3,-48.5 r28
  circle w0.2: c-65.3,-48.5 r30
  text "Carcasa 2mm: EXT O52 / INT O48 / PCB O47" at -87.3,-15.5 h1.8
  text "Carcasa 2mm: EXT O52 / INT O48 / PCB O47" at -87.3,-15.5 h1.8